# KiCad board coco2.kicad_pcb
title: TRS-80 Color Computer 2 NTSC ( 26-3134B & 26-3136B); date: 2022-03-05; rev: 1.0.0; company: Tandy Corporation; note: Board # 20261058; note: Reference board donated by MrDave3609; note: Kicad schematic capture by Rocky Hill
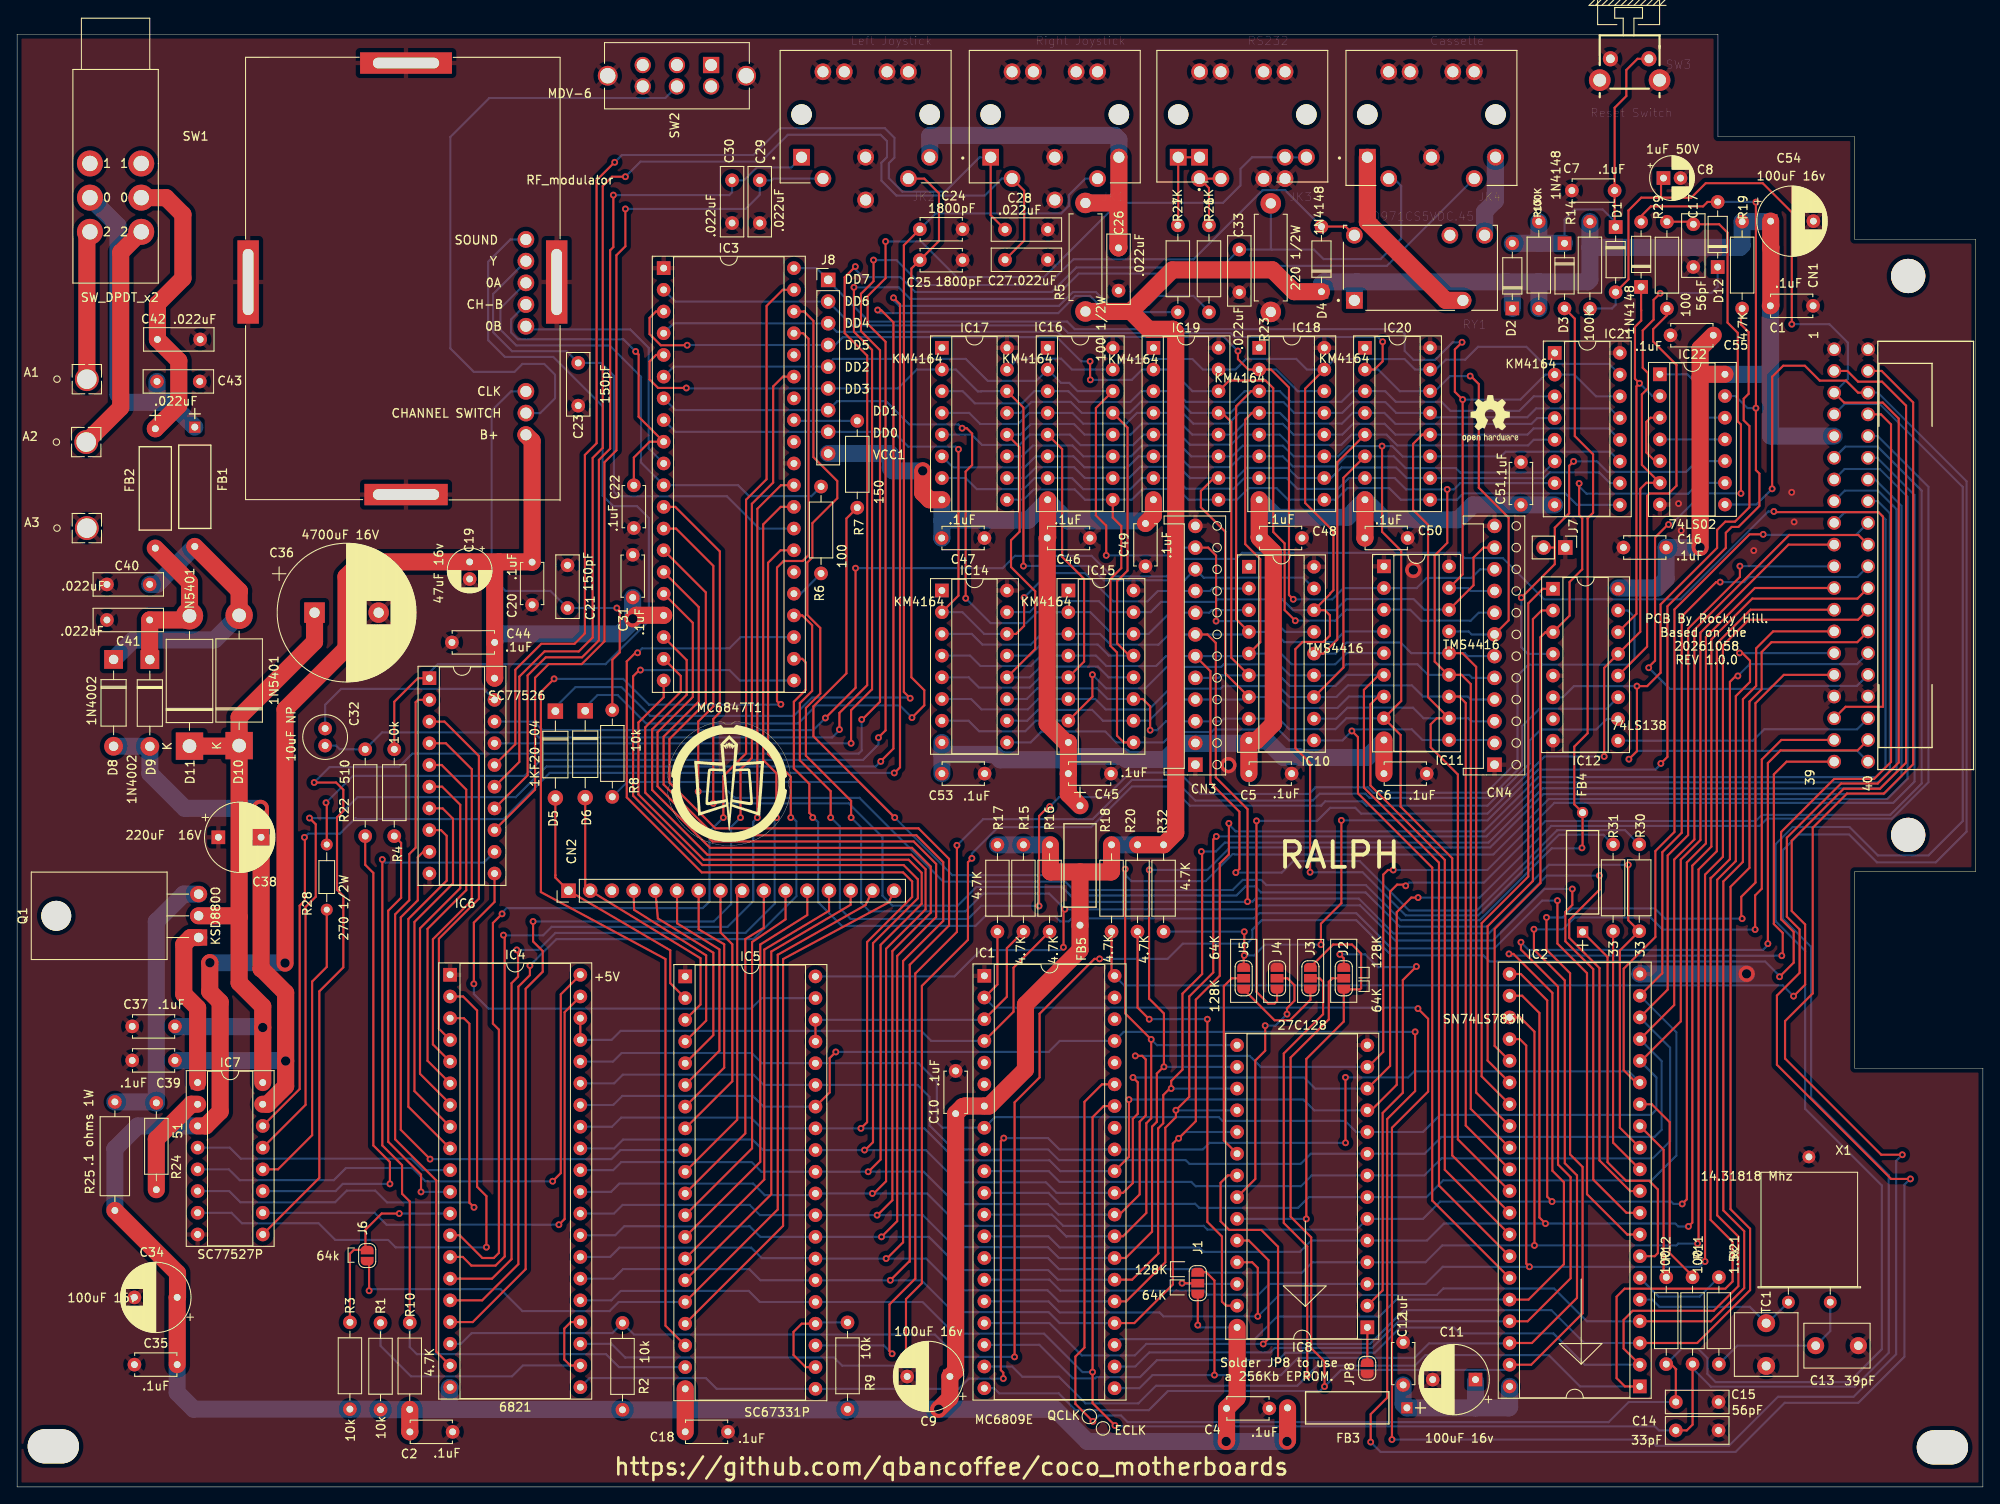
[diagram p0: board, top side]
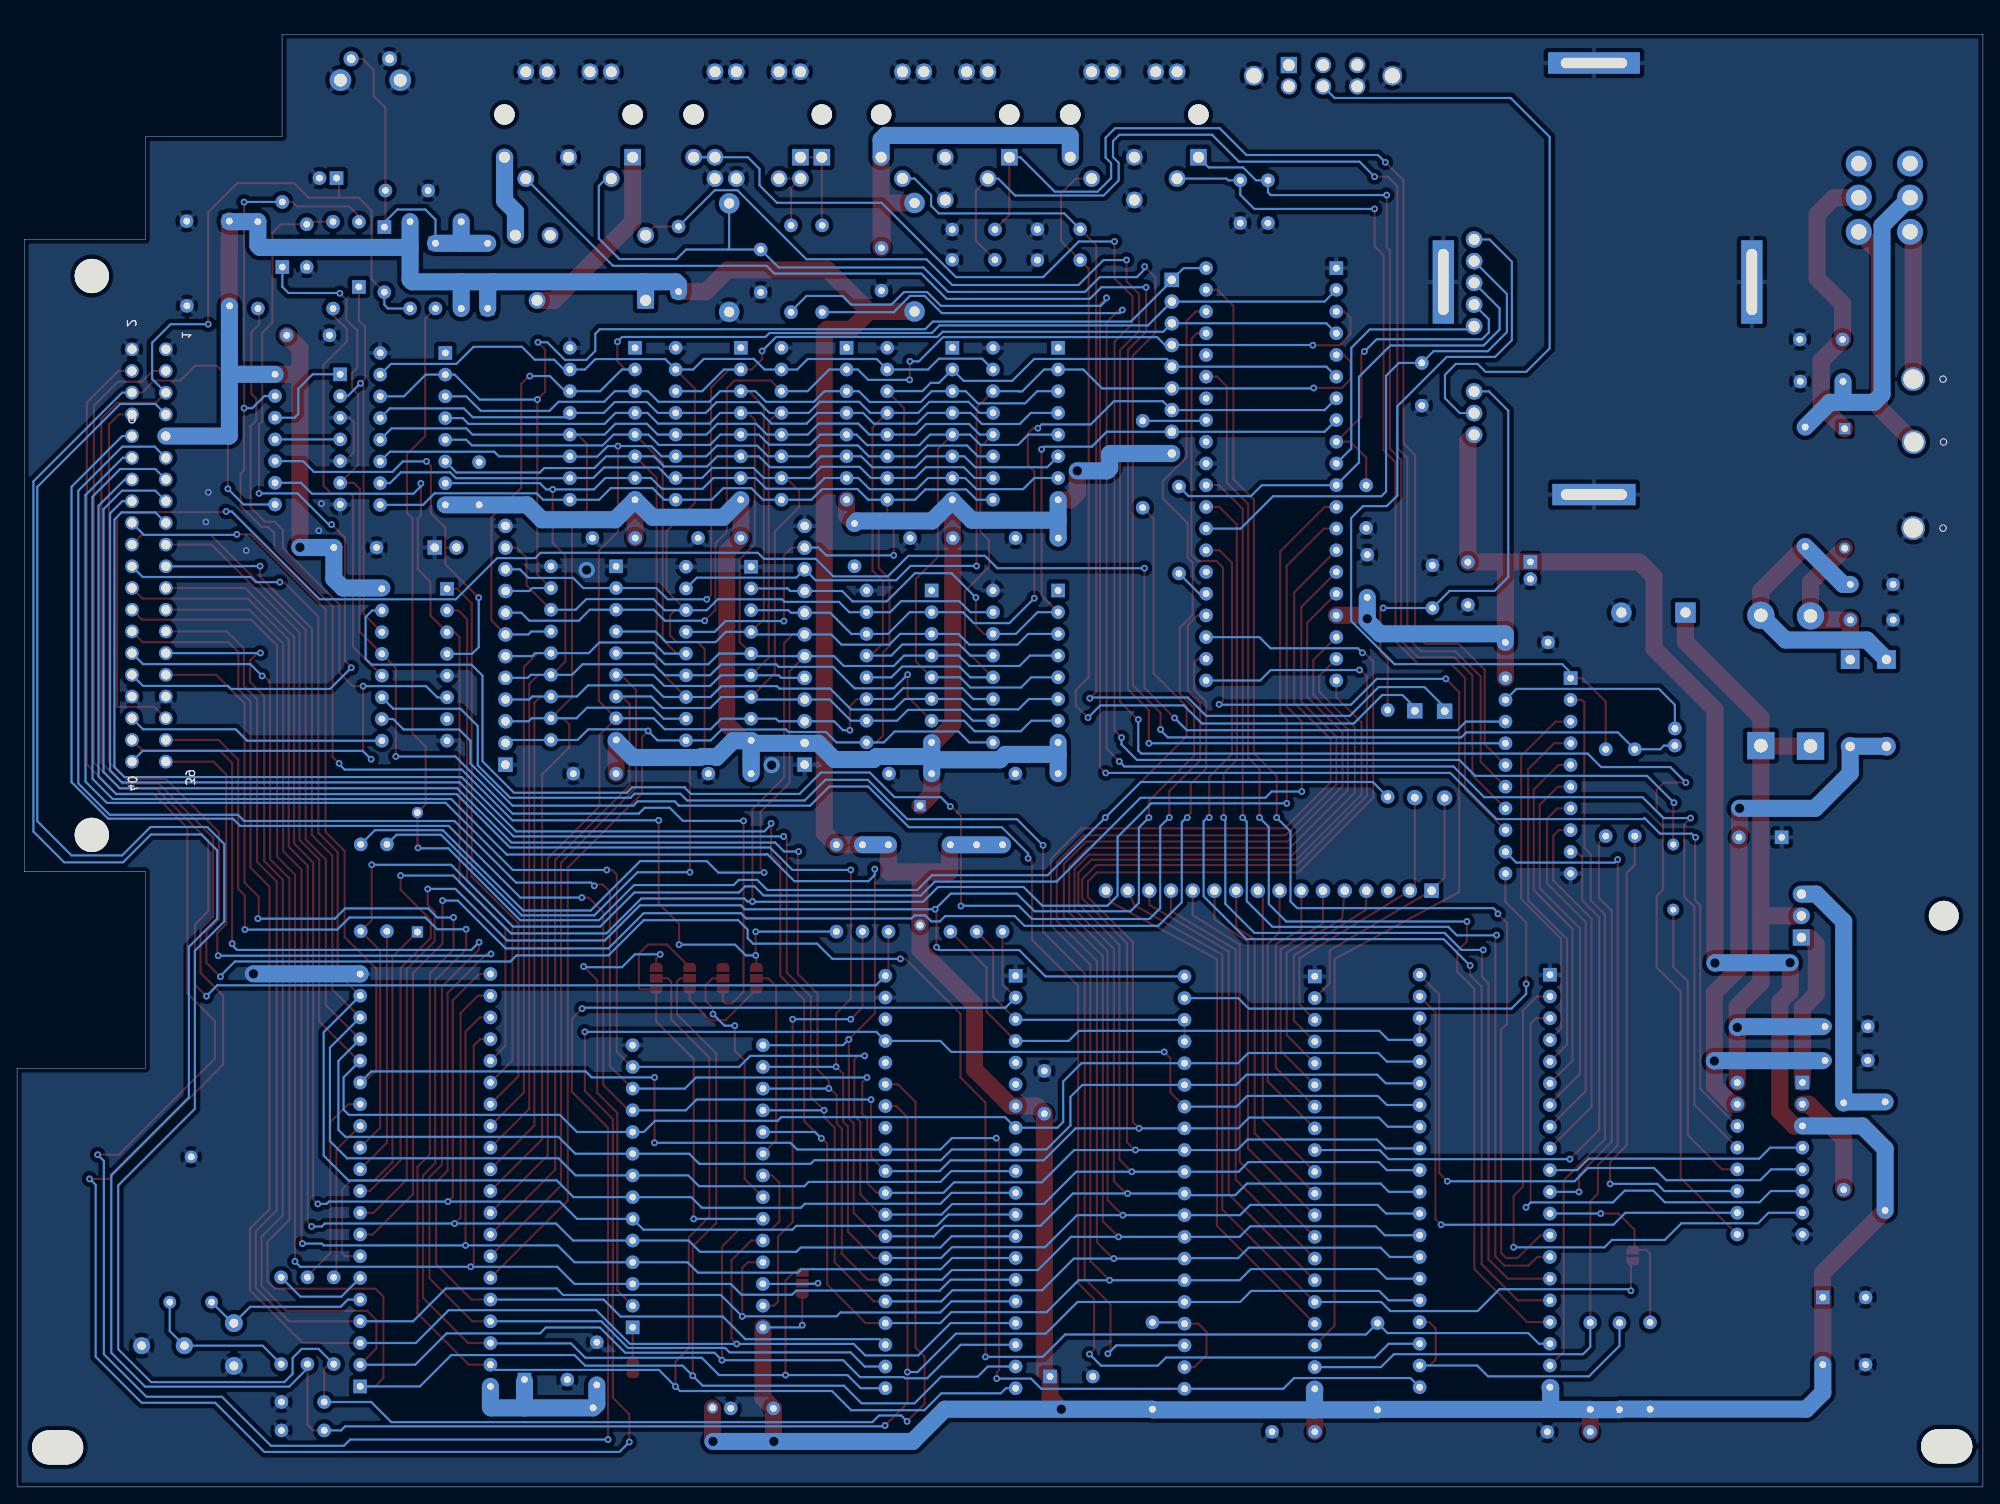
[diagram p1: board, bottom side, seen from below]

Outline 230 x 170 mm; copper layers: Top, Bottom. Coordinates in mm from the lower left corner of the outline.
Outline path: 0,170 199,170 199,158 215,158 215,146 229.16,146 229.16,72 215,72 215,49 230,49 230,0 0,0 0,170
Stack: Top 0.035mm / dielectric 1.51mm FR4 er 4.5 / Bottom 0.035mm

## Placement (name value [footprint] x y rotation side)
A1  A1  [power_connector_post]  8.16 129.63 0 top
A2  A2  [power_connector_post]  8.09 122.27 0 top
A3  A3  [power_connector_post]  8.16 112.2 0 top
C1  .1uF  [C_Disc_D4.7mm_W2.5mm_P5.00mm]  205.13 138.21 0 top
C2  .1uF  [C_Disc_D4.7mm_W2.5mm_P5.00mm]  50.96 6.44 180 top
C4  .1uF  [C_Disc_D4.7mm_W2.5mm_P5.00mm]  141.51 9.19 0 top
C5  .1uF  [C_Disc_D4.7mm_W2.5mm_P5.00mm]  149.12 83.47 180 top
C6  .1uF  [C_Disc_D4.7mm_W2.5mm_P5.00mm]  164.92 83.47 180 top
C7  .1uF  [C_Disc_D4.7mm_W2.5mm_P5.00mm]  186.91 151.7 180 top
C8  1uF 50V  [CP_Radial_D5.0mm_P2.00mm]  192.62 153.16 0 top
C9  100uF 16v  [CP_Radial_D8.0mm_P5.00mm]  109.14 12.92 180 top
C10  .1uF  [C_Disc_D4.7mm_W2.5mm_P5.00mm]  109.81 48.68 270 top
C11  100uF 16v  [CP_Radial_D8.0mm_P5.00mm]  170.63 12.56 180 top
C12  .1uF  [C_Disc_D4.7mm_W2.5mm_P5.00mm]  162.17 16.93 270 top
C13  39pF  [C_Disc_D7.5mm_W5.0mm_P5.00mm]  210.43 16.53 0 top
C14  33pF  [C_Rect_L7.2mm_W3.0mm_P5.00mm_FKS2_FKP2_MKS2_MKP2]  199.07 6.61 180 top
C15  56pF  [C_Rect_L7.2mm_W2.5mm_P5.00mm_FKS2_FKP2_MKS2_MKP2]  199.07 9.94 180 top
C16  .1uF  [C_Disc_D4.7mm_W2.5mm_P5.00mm]  192.94 109.93 180 top
C17  56pF  [C_Rect_L7.2mm_W2.5mm_P5.00mm_FKS2_FKP2_MKS2_MKP2]  196.12 142.76 90 top
C18  .1uF  [C_Disc_D4.7mm_W2.5mm_P5.00mm]  83.17 6.45 180 top
C19  47uF 16v  [CP_Radial_D5.0mm_P2.00mm]  52.95 108.25 270 top
C20  .1uF  [C_Disc_D4.7mm_W2.5mm_P5.00mm]  60.26 108.22 270 top
C21  150pF  [C_Rect_L7.2mm_W2.5mm_P5.00mm_FKS2_FKP2_MKS2_MKP2]  64.4 107.85 270 top
C22  .1uF  [C_Disc_D4.7mm_W2.5mm_P5.00mm]  72.16 117.21 270 top
C23  150pF  [C_Rect_L7.2mm_W2.5mm_P5.00mm_FKS2_FKP2_MKS2_MKP2]  65.65 126.53 90 top
C24  1800pF  [C_Disc_D4.7mm_W2.5mm_P5.00mm]  105.62 147.17 0 top
C25  1800pF  [C_Disc_D4.7mm_W2.5mm_P5.00mm]  105.62 143.56 0 top
C26  .022uF  [C_Disc_D8.0mm_W2.5mm_P5.00mm]  128.87 144.99 270 top
C27  .022uF  [C_Disc_D8.0mm_W2.5mm_P5.00mm]  115.59 143.6 0 top
C28  .022uF  [C_Disc_D8.0mm_W2.5mm_P5.00mm]  120.59 147.14 180 top
C29  .022uF  [C_Disc_D8.0mm_W2.5mm_P5.00mm]  86.89 152.9 270 top
C30  .022uF  [C_Disc_D8.0mm_W2.5mm_P5.00mm]  83.65 147.9 90 top
C31  .1uF  [C_Disc_D4.7mm_W2.5mm_P5.00mm]  72.03 104.08 90 top
C32  10uF NP  [C_Radial_D5.0mm_H11.0mm_P2.00mm]  36.04 86.75 90 top
C33  .022uF  [C_Disc_D8.0mm_W2.5mm_P5.00mm]  143 139.8 90 top
C34  100uF 16v  [CP_Radial_D8.0mm_P5.00mm]  18.73 22.18 180 top
C35  .1uF  [C_Disc_D4.7mm_W2.5mm_P5.00mm]  13.73 14.31 0 top
C36  4700uF 16V  [CP_Radial_D16.0mm_P7.50mm]  34.8 102.31 0 top
C37  .1uF  [C_Disc_D4.7mm_W2.5mm_P5.00mm]  13.47 53.89 0 top
C38  220uF  16V  [CP_Radial_D8.0mm_P5.00mm]  23.55 76.02 0 top
C39  .1uF  [C_Disc_D4.7mm_W2.5mm_P5.00mm]  18.47 49.91 180 top
C40  .022uF  [C_Disc_D8.0mm_W2.5mm_P5.00mm]  15.51 105.61 180 top
C41  .022uF  [C_Disc_D8.0mm_W2.5mm_P5.00mm]  15.51 101.45 180 top
C42  .022uF  [C_Disc_D8.0mm_W2.5mm_P5.00mm]  16.42 134.28 0 top
C43  .022uF  [C_Disc_D8.0mm_W2.5mm_P5.00mm]  16.37 129.36 0 top
C44  .1uF  [C_Disc_D4.7mm_W2.5mm_P5.00mm]  50.87 98.83 0 top
C45  .1uF  [C_Disc_D4.7mm_W2.5mm_P5.00mm]  127.99 83.47 180 top
C46  .1uF  [C_Disc_D4.7mm_W2.5mm_P5.00mm]  125.52 111.04 180 top
C47  .1uF  [C_Disc_D4.7mm_W2.5mm_P5.00mm]  113.18 111.04 180 top
C48  .1uF  [C_Disc_D4.7mm_W2.5mm_P5.00mm]  150.33 111.04 180 top
C49  .1uF  [C_Disc_D4.7mm_W2.5mm_P5.00mm]  132.02 107.74 90 top
C50  .1uF  [C_Disc_D4.7mm_W2.5mm_P5.00mm]  162.69 111.04 180 top
C51  .1uF  [C_Disc_D4.7mm_W2.5mm_P5.00mm]  175.95 119.92 270 top
C53  .1uF  [C_Disc_D4.7mm_W2.5mm_P5.00mm]  113.2 83.47 180 top
C54  100uF 16v  [CP_Radial_D8.0mm_P5.00mm]  205.17 148.12 0 top
C55  .1uF  [C_Disc_D4.7mm_W2.5mm_P5.00mm]  198.45 134.77 180 top
CN1  Conn_02x20_Odd_Even  [EBC20DRAS]  216.56 133.13 270 top
CN2  Conn_01x16_Female  [PinHeader_1x16_P2.54mm_Vertical]  64.51 69.77 90 top
CN3  Conn_01x12_Female  [PinSocket_1x12_P2.54mm_for_memory_board_adapter]  137.86 84.52 180 top
CN4  Conn_01x12_Female  [PinSocket_1x12_P2.54mm_for_memory_board_adapter]  172.86 84.52 180 top
D1  1N4148  [D_DO-35_SOD27_P7.62mm_Horizontal]  187.03 147.43 270 top
D2  1N4148  [D_DO-35_SOD27_P7.62mm_Horizontal]  174.94 137.91 90 top
D3  1N4148  [D_DO-35_SOD27_P7.62mm_Horizontal]  181.05 145.53 270 top
D4  1N4148  [D_DO-35_SOD27_P7.62mm_Horizontal]  152.61 139.87 90 top
D5  1KF20-04  [D_A-405_P10.16mm_Horizontal]  62.98 90.78 270 top
D6  1KF20-04  [D_A-405_P10.16mm_Horizontal]  66.47 90.82 270 top
D7  1N4148  [D_DO-35_SOD27_P7.62mm_Horizontal]  190.01 140.42 90 top
D8  1N4002  [D_DO-41_SOD81_P10.16mm_Horizontal]  11.29 96.83 270 top
D9  1N4002  [D_DO-41_SOD81_P10.16mm_Horizontal]  15.53 96.81 270 top
D10  1N5401  [D_DO-201AD_P15.24mm_Horizontal]  25.98 86.75 90 top
D11  1N5401  [D_DO-201AD_P15.24mm_Horizontal]  20.17 86.69 90 top
D12  1N4148  [D_DO-35_SOD27_P7.62mm_Horizontal]  198.97 142.75 90 top
FB1  Ferrite_Bead_Small  [ferrite_bead]  20.79 124.02 270 top
FB2  Ferrite_Bead_Small  [ferrite_bead]  16.17 123.83 270 top
FB3  Ferrite_Bead_Small  [ferrite_bead]  162.61 9.25 180 top
FB4  Ferrite_Bead_Small  [ferrite_bead]  183.16 64.94 90 top
FB5  Ferrite_Bead_Small  [ferrite_bead]  124.36 79.71 270 top
H999002  MountingHole  [MountingHole_4mm]  225.26 4.62 0 top
H999003  MountingHole  [MountingHole_4mm]  4.24 4.75 0 top
IC1  MC6809E  [DIP-40_W15.24mm_Socket]  113.17 59.81 0 top
IC2  SN74LS785N  [DIP-40_W15.24mm_Socket]  189.86 11.76 180 top
IC3  MC6847T1  [DIP-40_W15.24mm_Socket]  75.65 142.62 0 top
IC4  6821  [DIP-40_W15.24mm_Socket]  50.66 59.93 0 top
IC5  SC67331P  [DIP-40_W15.24mm_Socket]  78.17 59.74 0 top
IC6  SC77526  [DIP-20_W7.62mm_Socket]  48.24 94.64 0 top
IC7  SC77527P  [DIP-16_W7.62mm_Socket]  21.12 47.32 0 top
IC8  27C128  [DIP-28_W15.24mm_Socket]  157.98 18.67 180 top
IC10  TMS4416  [DIP-18_W7.62mm_Socket]  144.12 107.68 0 top
IC11  TMS4416  [DIP-18_W7.62mm_Socket]  159.92 107.73 0 top
IC12  74LS138  [DIP-16_W7.62mm_Socket]  179.7 105.1 0 top
IC14  KM4164  [DIP-16_W7.62mm_Socket]  108.2 104.9 0 top
IC15  KM4164  [DIP-16_W7.62mm_Socket]  123 104.9 0 top
IC16  KM4164  [DIP-16_W7.62mm_Socket]  120.58 133.3 0 top
IC17  KM4164  [DIP-16_W7.62mm_Socket]  108.2 133.3 0 top
IC18  KM4164  [DIP-16_W7.62mm_Socket]  145.32 133.3 0 top
IC19  KM4164  [DIP-16_W7.62mm_Socket]  132.95 133.3 0 top
IC20  KM4164  [DIP-16_W7.62mm_Socket]  157.7 133.3 0 top
IC21  KM4164  [DIP-16_W7.62mm_Socket]  179.9 132.7 0 top
IC22  74LS02  [DIP-14_W7.62mm_Socket]  192.2 130.2 0 top
J1  128K   64K  [SolderJumper-3_P1.3mm_Open_RoundedPad1.0x1.5mm_NumberLabels]  138.14 23.84 270 top
J2  64K   128K  [SolderJumper-3_P1.3mm_Open_RoundedPad1.0x1.5mm_NumberLabels]  155.22 59.52 90 top
J3  128K   64K  [SolderJumper-3_P1.3mm_Open_RoundedPad1.0x1.5mm_NumberLabels]  151.32 59.52 270 top
J4  128K   64K  [SolderJumper-3_P1.3mm_Open_RoundedPad1.0x1.5mm_NumberLabels]  147.41 59.52 270 top
J5  128K   64K  [SolderJumper-3_P1.3mm_Open_RoundedPad1.0x1.5mm_NumberLabels]  143.51 59.52 270 top
J6  SolderJumper_2_Open  [SolderJumper-2_P1.3mm_Open_RoundedPad1.0x1.5mm]  40.96 27.07 90 top
J7  Conn_01x02  [PinHeader_1x02_P2.54mm_Vertical]  181.14 109.93 270 top
J8  Conn_01x09  [PinHeader_1x09_P2.54mm_Vertical]  94.9 141.25 0 top
JK1  Right Joystick  [CUI_SDS-60J]  121.41 160.6 180 top
JK2  Left Joystick  [CUI_SDS-60J]  99.28 160.6 180 top
JK3  RS232  [CUI_SDS-40J]  143.35 160.6 180 top
JK4  Cassette  [CUI_SDS-50J]  165.48 160.6 180 top
JP8  SolderJumper_2_Open  [SolderJumper-2_P1.3mm_Open_RoundedPad1.0x1.5mm]  157.96 13.88 270 top
LOGO1  coco2_3134x_layout  [coco2_3134B_layout_bottom_a]  113.1 85.8 0 top
LOGO2  coco2_3134x_layout_top  [coco2_3134B_layout_top_a]  116.79 86.06 0 top
LOGO3  Logo_Open_Hardware_Large  [OSHW-Logo2_7.3x6mm_SilkScreen]  172.36 125.01 0 top
LOGO4  SYM_Magnet_Small  [gah]  83.33 82.34 0 top
MDV-6  RF_modulator  [CoCo_2_3134A_RF_Modulator]  64.73 169.5 0 top
Q1  KSD880O  [TO-220-3_Horizontal_TabDown]  21.24 64.29 90 top
R1  10k  [R_Axial_DIN0207_L6.3mm_D2.5mm_P10.16mm_Horizontal]  42.52 9.04 90 top
R2  10k  [R_Axial_DIN0207_L6.3mm_D2.5mm_P10.16mm_Horizontal]  70.83 19.18 270 top
R3  10k  [R_Axial_DIN0207_L6.3mm_D2.5mm_P10.16mm_Horizontal]  38.94 9.1 90 top
R4  10k  [R_Axial_DIN0207_L6.3mm_D2.5mm_P10.16mm_Horizontal]  44.13 86.32 270 top
R5  100 1/2W  [R_Axial_DIN0411_L9.9mm_D3.6mm_P12.70mm_Horizontal]  125 137.55 90 top
R6  100  [R_Axial_DIN0207_L6.3mm_D2.5mm_P10.16mm_Horizontal]  94.06 106.9 90 top
R7  150  [R_Axial_DIN0207_L6.3mm_D2.5mm_P10.16mm_Horizontal]  98.3 114.59 90 top
R8  10k  [R_Axial_DIN0207_L6.3mm_D2.5mm_P10.16mm_Horizontal]  69.64 90.91 270 top
R9  10k  [R_Axial_DIN0207_L6.3mm_D2.5mm_P10.16mm_Horizontal]  97.16 9.09 90 top
R10  4.7K  [R_Axial_DIN0207_L6.3mm_D2.5mm_P10.16mm_Horizontal]  45.94 19.23 270 top
R11  100  [R_Axial_DIN0207_L6.3mm_D2.5mm_P10.16mm_Horizontal]  196.03 14.37 90 top
R12  100  [R_Axial_DIN0207_L6.3mm_D2.5mm_P10.16mm_Horizontal]  192.95 14.37 90 top
R13  100K  [R_Axial_DIN0207_L6.3mm_D2.5mm_P10.16mm_Horizontal]  178.04 137.9 90 top
R14  100K  [R_Axial_DIN0207_L6.3mm_D2.5mm_P10.16mm_Horizontal]  184.02 148.06 270 top
R15  4.7K  [R_Axial_DIN0207_L6.3mm_D2.5mm_P10.16mm_Horizontal]  117.74 75.14 270 top
R16  4.7K  [R_Axial_DIN0207_L6.3mm_D2.5mm_P10.16mm_Horizontal]  120.8 75.14 270 top
R17  4.7K  [R_Axial_DIN0207_L6.3mm_D2.5mm_P10.16mm_Horizontal]  114.7 75.14 270 top
R18  4.7K  [R_Axial_DIN0207_L6.3mm_D2.5mm_P10.16mm_Horizontal]  128.05 75.14 270 top
R19  4.7K  [R_Axial_DIN0207_L6.3mm_D2.5mm_P10.16mm_Horizontal]  201.83 148.06 270 top
R20  4.7K  [R_Axial_DIN0207_L6.3mm_D2.5mm_P10.16mm_Horizontal]  131.09 75.14 270 top
R21  1.5k  [R_Axial_DIN0207_L6.3mm_D2.5mm_P10.16mm_Horizontal]  199.11 24.53 270 top
R22  510  [R_Axial_DIN0207_L6.3mm_D2.5mm_P10.16mm_Horizontal]  40.73 86.32 270 top
R23  220 1/2W  [R_Axial_DIN0411_L9.9mm_D3.6mm_P12.70mm_Horizontal]  146.68 137.5 90 top
R24  51  [R_Axial_DIN0207_L6.3mm_D2.5mm_P10.16mm_Horizontal]  16.29 44.94 270 top
R25  .1 ohms 1W  [R_Axial_DIN0309_L9.0mm_D3.2mm_P12.70mm_Horizontal]  11.44 32.35 90 top
R26  1K  [R_Axial_DIN0207_L6.3mm_D2.5mm_P10.16mm_Horizontal]  139.45 137.47 90 top
R27  1K  [R_Axial_DIN0207_L6.3mm_D2.5mm_P10.16mm_Horizontal]  135.81 137.47 90 top
R28  270 1/2W  [R_Axial_DIN0204_L3.6mm_D1.6mm_P7.62mm_Horizontal]  36.23 75.17 270 top
R29  100  [R_Axial_DIN0207_L6.3mm_D2.5mm_P10.16mm_Horizontal]  193.03 148.05 270 top
R30  33  [R_Axial_DIN0207_L6.3mm_D2.5mm_P10.16mm_Horizontal]  189.79 75.19 270 top
R31  33  [R_Axial_DIN0207_L6.3mm_D2.5mm_P10.16mm_Horizontal]  186.73 75.19 270 top
R32  4.7K  [R_Axial_DIN0207_L6.3mm_D2.5mm_P10.16mm_Horizontal]  134.14 75.14 270 top
RY1  J0971CS5VDC.45  [RELAY_J0971CS5VDC.45]  164.19 142.66 0 top
SW1  SW_DPDT_x2  [F2UEE]  14.52 154.87 0 top
SW2  SW_DPDT_x2-Switch  [MFS201N-16-Z]  81.2 166.39 270 top
SW3  Reset Switch  [B3F3152]  192.17 164.62 180 top
TC1  C_Variable  [C_Rect_L7.2mm_W7.2mm_P5.00mm_FKS2_FKP2_MKS2_MKP2]  204.64 19.16 270 top
X1  14.31818 Mhz  [Crystal_HC49-U_Horizontal]  212.14 21.62 180 top

## Library data of the parts
A1-A3 = -: Manufacturer part#: 6331-0-00-15-00-00-08-0; Vendor: digikey; Vendor part#: ED11524-ND; Field7: *; Field8: Copyright 2021 Accelerated Designs. All rights reserved.
C1 C2 C4-C7 C10 C12 C16 C18 C20 C22 C31 C35 C37 C39 C44-C51 C53 C55 = -: Manufacturer part#: RDER71H104K0K1H03B; Vendor: digikey; Vendor part#: 490-8814-ND
C8 = -: Manufacturer part#: 515D105M050JA6AE3; Vendor: digikey; Vendor part#: 718-2229-ND
C9 = -: Manufacturer part#: ECA-1CM101B; Vendor: digikey; Vendor part#: P10369CT-ND
C11 C34 C54 = -: Manufacturer part#: UST1C101MDD1TA; Vendor: digikey; Vendor part#: 493-17434-1-ND
C13 = -: Manufacturer part#: RDE5C1H390J0M1H03A; Vendor: digikey; Vendor part#: 490-9014-1-ND
C14 = -: Manufacturer part#: FA28NP01H330JNU06; Vendor: digikey; Vendor part#: 445-180775-1-ND
C15 C17 = -: Manufacturer part#: RDE5C1H560J0M1H03A; Vendor: digikey; Vendor part#: 490-9030-1-ND
C19 = -: Manufacturer part#: ULD1C470MDD1TD; Vendor: digikey; Vendor part#: 493-16246-1-ND
C21 C23 = -: Manufacturer part#: FA28C0G2E151JNU06; Vendor: digikey; Vendor part#: 445-180756-1-ND
C24 C25 = -: Manufacturer part#: FA28C0G1H182JNU06; Vendor: digikey; Vendor part#: 445-180714-1-ND
C26-C30 C33 C40-C43 = -: Manufacturer part#: C317C223M5U5TA7301; Vendor: digikey; Vendor part#: 399-14073-1-ND
C32 = -: Manufacturer part#: UES1E100MDM1TD; Vendor: digikey; Vendor part#: 493-10824-1-ND
C36 = -: Manufacturer part#: 16YXJ4700M16X25; Vendor: digikey; Vendor part#: 1189-1145-ND
C38 = -: Manufacturer part#: URS1C221MPD1TA; Vendor: digikey; Vendor part#: 493-15896-1-ND
CN1 = -: Manufacturer part#: EBC20DRAS; Vendor: digikey; Vendor part#: S9672-ND; Field7: *; Field8: 2; Field9: Copyright 2016 Accelerated Designs. All rights reserved.
CN2 = -: Manufacturer part#: 6-520415-6; Vendor: digikey; Vendor part#: A144434-ND
CN3 CN4 = -: Manufacturer part#: 0022182121; Vendor: digikey; Vendor part#: 23-0022182121-ND
D1-D4 D7 D12 = -: Vendor: digikey; Vendor part#: 1N4148FS-ND; Field7: K; Field8: K
D5 D6 = -: Manufacturer part#: 1N4148; Vendor: digikey; Vendor part#: 1N4148FS-ND; Field7: K; Field8: K
D8 D9 = -: Manufacturer part#: 1N4002G-T; Vendor: digikey; Vendor part#: 1N4002GDICT-ND; Field7: K; Field8: K
D10 D11 = -: Manufacturer part#: 1N5401G-T; Vendor: digikey; Vendor part#: 1N5401GDICT-ND
FB1-FB5 = -: Manufacturer part#: 2743007111; Vendor: digikey; Vendor part#: 1934-1364-ND; Field7: *; Field8: Copyright 2016 Accelerated Designs. All rights reserved.
IC1 IC2 IC4 IC5 = -: Datasheet: http://www.on-shore.com/wp-content/uploads/2015/09/ipg2.pdf; Manufacturer part#: ED40DT; Vendor: digikey; Vendor part#: ED3048-5-ND
IC6 = -: Manufacturer part#: 243-20-1-03; Vendor: digikey; Vendor part#: 1175-1479-ND
IC7 = -: Manufacturer part#: 1-2199298-4; Vendor: digikey; Vendor part#: A120349-ND
IC8 = -: Manufacturer part#: A 28-LC-TT; Vendor: digikey; Vendor part#: AE10004-ND
IC10 IC11 = -: Manufacturer part#: A 18-LC-TT; Vendor: digikey; Vendor part#: AE9995-ND
IC12 = -: Datasheet: https://www.te.com/commerce/DocumentDelivery/DDEController?Action=srchrtrv&DocNm=2199298&DocType=Customer+Drawing&DocLang=English; Manufacturer 2nd part#: SN74LS138N; Manufacturer part#: 1-2199298-4; Vendor: digikey; Vendor 2nd part#: 296-1639-5-ND; Vendor part#: A120349-ND
J2 = -: Field4: 64K; Field5: 128K
J3-J5 = -: Field4: 1; Field5: 3
JK1 JK2 = -: Manufacturer part#: SDS-60J; Vendor: digikey; Vendor part#: CP-2360-ND
JK3 = -: Manufacturer part#: SDS-40J; Vendor: digikey; Vendor part#: CP-2340-ND
JK4 = -: Manufacturer part#: SDS-50J; Vendor: digikey; Vendor part#: CP-2350-ND
Q1 = -: Vendor: digikey; Vendor part#: KSD880OFS-ND
R1-R4 R8 R9 = -: Manufacturer part#: CF14JT10K0; Vendor: digikey; Vendor part#: CF14JT10K0CT-ND
R5 = -: Manufacturer part#: CF12JT100R; Vendor: digikey; Vendor part#: CF12JT100RCT-ND
R6 R11 R12 R29 = -: Manufacturer part#: MFR-25FBF52-100R; Vendor: digikey; Vendor part#: 100XBK-ND
R7 = -: Manufacturer part#: CF14JT150R; Vendor: digikey; Vendor part#: CF14JT150RCT-ND
R10 R15-R20 R32 = -: Manufacturer part#: Stackpole Electronics Inc; Vendor: digikey; Vendor part#: CF14JT4K70CT-ND
R13 R14 = -: Manufacturer part#: CF14JT100K; Vendor: digikey; Vendor part#: CF14JT100KCT-ND
R21 = -: Manufacturer part#: MFR-25FBF52-1K5; Vendor: digikey; Vendor part#: 1.50KXBK-ND
R22 = -: Manufacturer part#: CF14JT510R; Vendor: digikey; Vendor part#: CF14JT510RCT-ND
R23 = -: Manufacturer part#: CF12JT220R; Vendor: digikey; Vendor part#: CF12JT220RCT-ND
R24 = -: Manufacturer part#: CF1/4CT52R510J; Vendor: digikey; Vendor part#: 2019-CF1/4CT52R510JCT-ND
R25 = -: Manufacturer part#: RSMF1JTR100; Vendor: digikey; Vendor part#: RSMF1JTR100CT-ND
R26 R27 = -: Manufacturer part#: CF14JT1K00; Vendor: digikey; Vendor part#: CF14JT1K00CT-ND
R28 = -: Manufacturer part#: SFR16S0002700JA500; Vendor: digikey; Vendor part#: BC4316CT-ND
R30 R31 = -: Manufacturer part#: CF14JT33R0; Vendor: digikey; Vendor part#: CF14JT33R0CT-ND
RY1 = -: Vendor: digikey; Vendor part#: 2449-J0971CS5VDC.45-ND
SW1 = -: Manufacturer part#: F2UEE; Vendor: digikey; Vendor part#: 401-1223-ND
SW2 = -: manufacturer part#: MFS201N-16-Z; vendor: digikey; vendor part#: 563-1558-ND; Field7: *; Field8: *
SW3 = -: Manufacturer 2nd part#: B32-1010; Manufacturer part#: B3F-3152; Vendor: digikey; Vendor 2nd part#: SW451-ND; Vendor part#: SW410-ND
TC1 = -: Manufacturer part#: GKG50015; Vendor: digikey; Vendor part#: 2447-GKG50015-ND
X1 = -: Manufacturer part#: MP143; Vendor: digikey; Vendor part#: CTX088-ND
